# Altium PCB J-Link to STDC14.PcbDoc
Units mil, origin at the board's own origin, x right, y up, seen from the top; angles counter-clockwise.
Board outline 1320 x 990 mil, 2 copper layers (Top Layer, Bottom Layer), stack 61.756 mil thick; 29 components, 30 nets, 115 pads, 5 vias.
Unrouted connection lines stored in the file: 55.
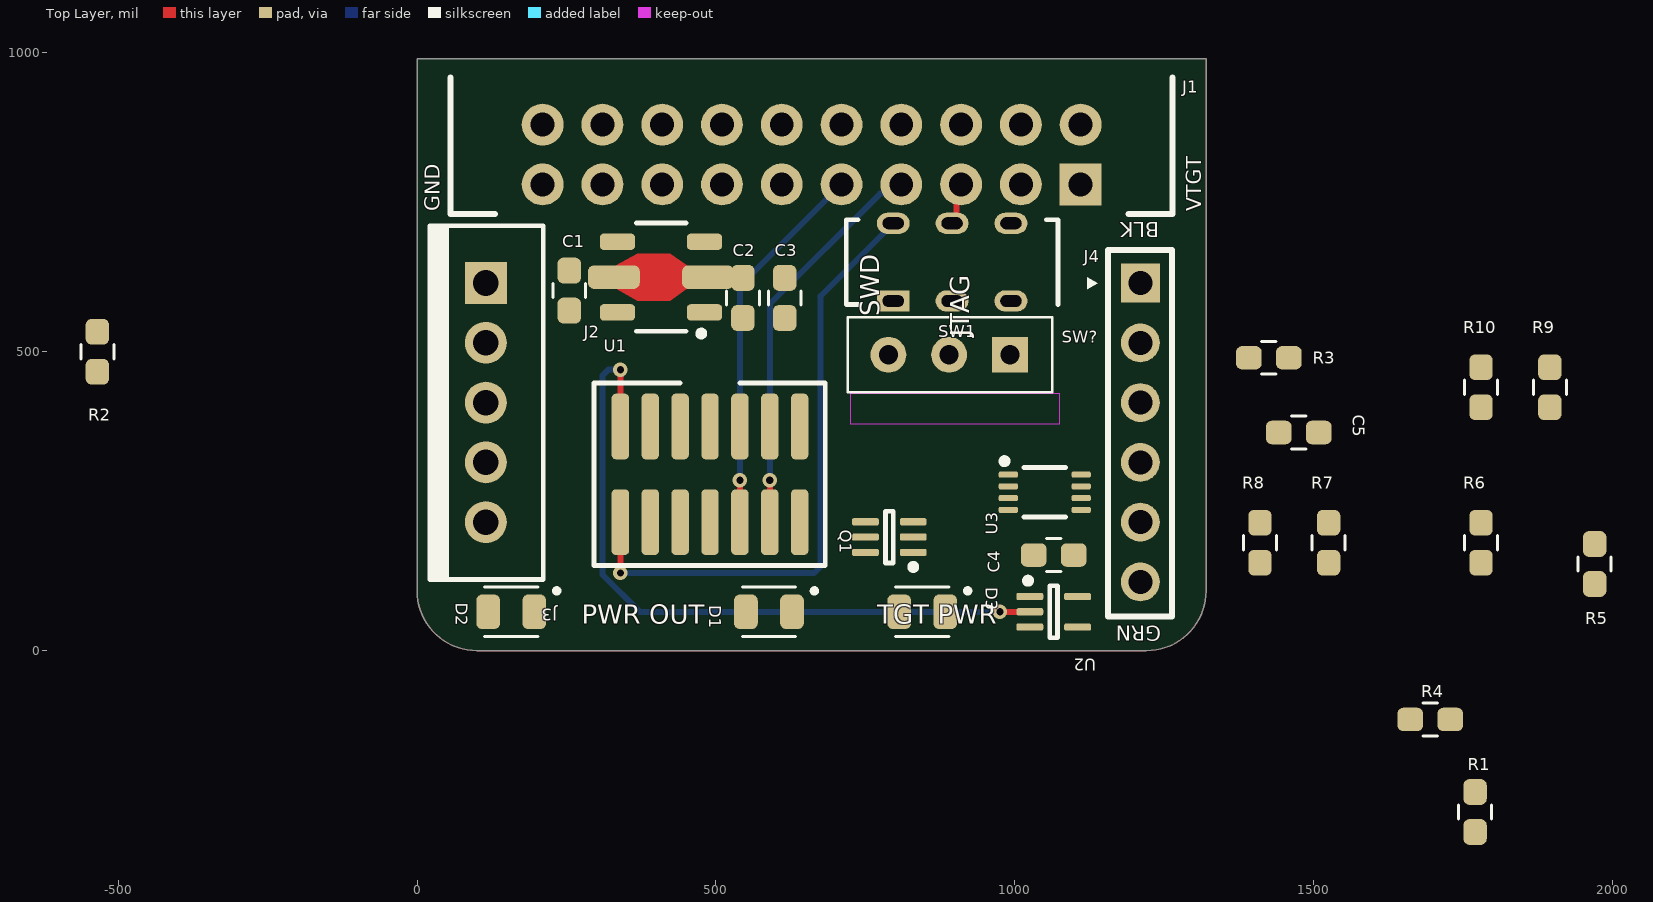
[diagram p0: Top Layer view]
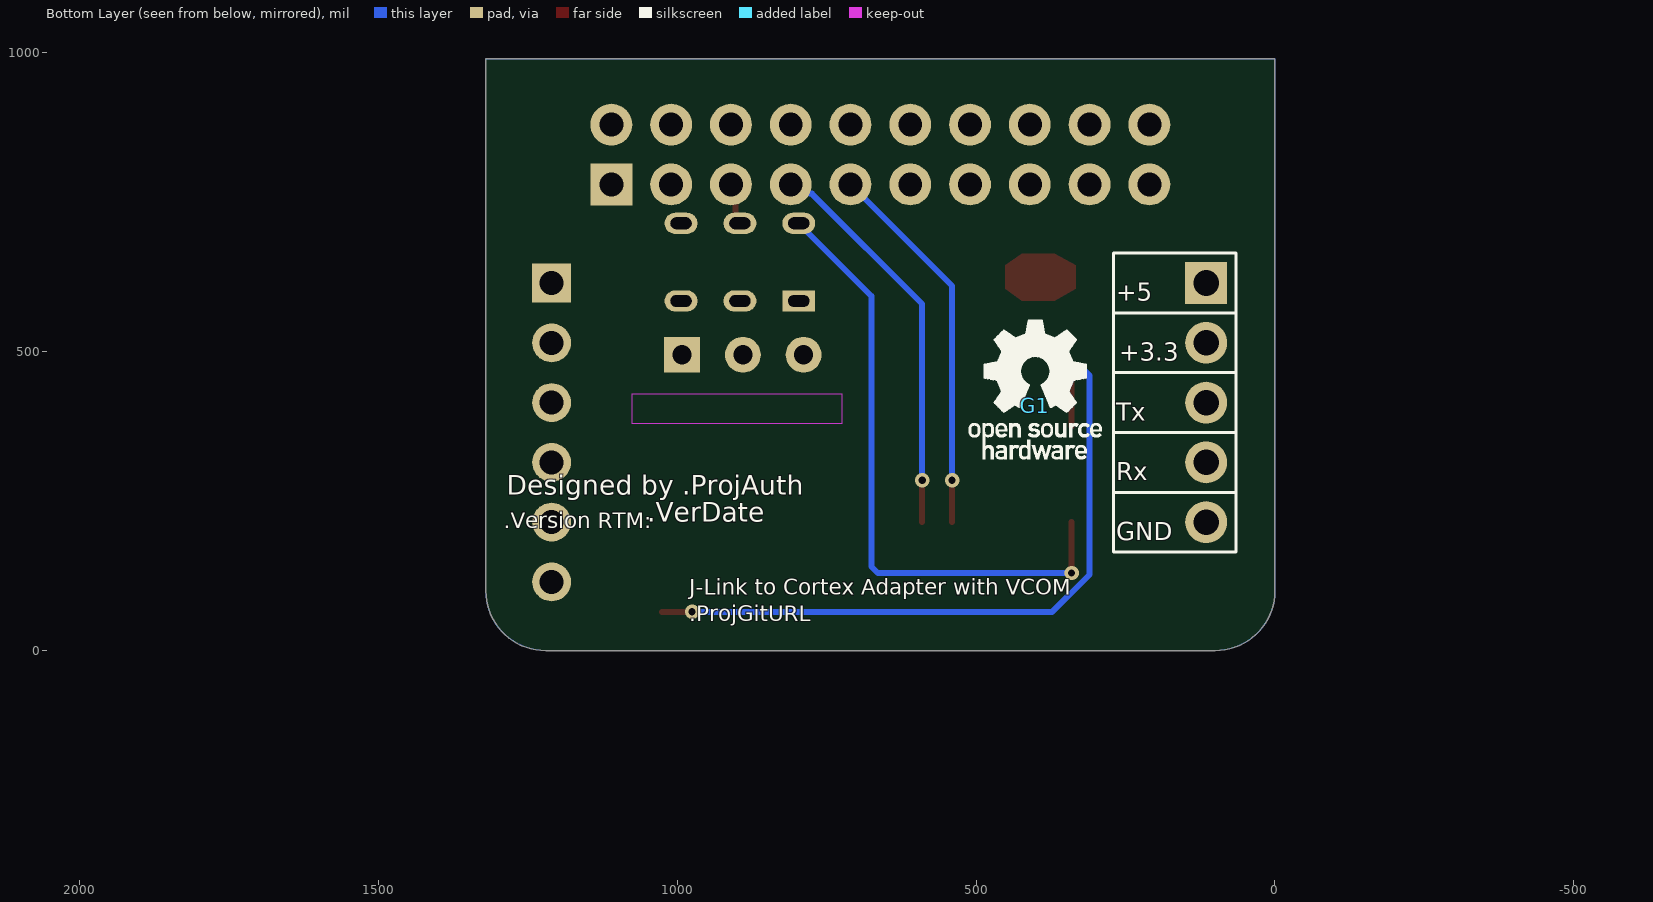
[diagram p1: Bottom Layer view, seen from below]

## Layer stack, top to bottom
Top Solder: solder mask 1, PSR-4000BN, Dk 4.5
Top Layer: signal copper 1.378
Dielectric 1: core 59, Kingboard KB6167F, Dk 4.5
Bottom Layer: signal copper 1.378
Bottom Solder: solder mask 1, PSR-4000BN, Dk 4.5

## Board outline
0,100 ccw(c100,100) 100,0 300.72,0 1220,0 ccw(c1220,100) 1320,100 1320,990 0,990

## Design rules (kind name [scope] priority, off if disabled: settings)
BoardOutlineClearance [All] p1: gap=15 ignorepadtopadclearanceinfootprint=FALSE
Clearance [All] p1: gap=6 ignorepadtopadclearanceinfootprint=FALSE except(8: SMDPad-Poly THPad-Poly; 12: Arc-Hole Track-Hole SMDPad-Hole THPad-Hole Via-Hole Fill-Hole Poly-Hole Region-Hole Text-Hole)
ComponentClearance [All] p1: gap=5 collisioncheckmode=3 verticalgap=5 showdistances=TRUE
Creepage [All] p1: checkdistance=3 ignoreinternallayers=FALSE
DiffPairsRouting [All] p1: maxlimit=10 minlimit=5 mostfreqgap=5 toplayer_minwidth=5 toplayer_maxwidth=1000 toplayer_prefwidth=5 bottomlayer_minwidth=5 bottomlayer_maxwidth=1000 bottomlayer_prefwidth=5 maxuncoupledlength=500
Height [All] p1: minheight=0 maxheight=71497.94 prefheight=500
HoleSize [All] p1: absolutevalues=TRUE maxlimit=248.03 minlimit=10 maxpercent=80.000 minpercent=20.000
HoleToHoleClearance [All] p1: gap=9.84 allowstackedmicrovias=FALSE
MinimumAnnularRing [All] p1: minimumring=3
MinimumSolderMaskSliver [All] p1: minsoldermaskwidth=4
PasteMaskExpansion "THT Paste" [IsThruPin or IsThruVia or IsVia] p1: expansion=-99999
PasteMaskExpansion [All] p2: expansion=0
PlaneClearance [All] p1: clearance=5
PlaneConnect PlaneConnectPowerPads [InPadClass('PowerPads')] p1: planeconnectstyle=Direct reliefexpansion=20 reliefentries=4 reliefconductorwidth=10 reliefairgap=10
PlaneConnect [All] p2: pad.planeconnectstyle=Relief pad.reliefexpansion=11.81 pad.reliefentries=4 pad.reliefconductorwidth=5 pad.reliefairgap=5 via.planeconnectstyle=Direct via.reliefexpansion=11.81 via.reliefentries=4 via.reliefconductorwidth=5 via.reliefairgap=5
PolygonConnect PolygonConnectPowerPads [All vs InPolygonClass('PWRPLY')] p1: thpad.connectstyle=Relief thpad.reliefconductorwidth=15 thpad.reliefentries=4 thpad.polygonreliefangle="90 Angle" thpad.airgapwidth=10 smdpad.connectstyle=Relief smdpad.reliefconductorwidth=15 smdpad.reliefentries=4 smdpad.polygonreliefangle="90 Angle" smdpad.airgapwidth=10 via.connectstyle=Direct via.reliefconductorwidth=10 via.reliefentries=4 via.polygonreliefangle="90 Angle" via.airgapwidth=10
PolygonConnect [All] p2: thpad.connectstyle=Relief thpad.reliefconductorwidth=8 thpad.reliefentries=4 thpad.polygonreliefangle="90 Angle" thpad.airgapwidth=8 smdpad.connectstyle=Relief smdpad.reliefconductorwidth=5 smdpad.reliefentries=4 smdpad.polygonreliefangle="90 Angle" smdpad.airgapwidth=5 via.connectstyle=Direct via.reliefconductorwidth=5 via.reliefentries=4 via.polygonreliefangle="90 Angle" via.airgapwidth=5
RoutingCorners [All] p1: cornerstyle=45-Degree minsetback=250 maxsetback=100
RoutingVias [All] p1: holewidth=12 width=24 viastyle="Through Hole" minholewidth=10 minwidth=20 maxholewidth=23.62 maxwidth=259.84
SilkToSilkClearance [All] p1: silktosilkclearance=3
SilkToSolderMaskClearance [IsPad or IsVia] p1: minsilkscreentomaskgap=3 clearancetoexposedcopper=FALSE
SolderMaskExpansion TentedVias [IsVia] p1: expansion=4 istentingtop=TRUE
SolderMaskExpansion [All] p2: expansion=3 istentingtop=FALSE
UnRoutedNet [All] p1: checkbadconnections=TRUE
Width PWRWIDTH [InNetClass('PWR')] p1: maxlimit=40 minlimit=10 preferedwidth=15 minimp=50.000000 maximp=50.000000 favimp=50.000000
Width [All] p2: maxlimit=1000 minlimit=6 preferedwidth=10 minimp=50.000000 maximp=50.000000 favimp=50.000000
17 further rules are at their usual default settings.

## Classes and differential pairs
component class FTDI_INT: C4 C5 D3 J4 R6 R7 R8 R9 R10 SW? U2 U3
polygon class PWRPLY: BOTGND TOPGND
net class PWR: +3.3 +5 GND NetC3_2
component class "J-Link to STDC14": C1 C2 C3 D1 D2 HW1 J1 J2 J3 Q1 R1 R2 R3 R4 R5 SW1 U1

## Components (designator, comment, footprint, x,y, rotation, side; value= is the part's Value field where it differs from the comment)
C1 "CAP 0603 0.47UF 16V 10% X7R" 0603_CAP 254.53,602.53 r270 top value=0.47UF
C2 "CAP 0603 0.47UF 16V 10% X7R" 0603_CAP 545,590 r270 top value=0.47UF
C3 "CAP 0603 0.01UF 16V 10% X7R" 0603_CAP 615,590 r90 top value=0.01UF
C4 "CAP 0603 0.01UF 16V 10% X7R" 0603_CAP 1065,160 r0 top value=0.01UF
C5 "CAP 0603 0.01UF 16V 10% X7R" 0603_CAP 1475,365 r180 top value=0.01UF
D1 "Green LED" SM0805GCL 588.58,65 r180 top
D2 "Red LED" SM0805HCL 157.4,65 r180 top
D3 "Amber LED" SM0805AC 845,65 r180 top
G1 "Comment" OSHW_.25in 401.62,410 r180 bottom
J1 "20 contact Female header, RA" SFH11-PBPC-D10-RA-BK 660,1110.31 r180 top locked
J2 "STDC14 Debug Connector" "FTSH-107-01-F-DV-K PLUGOUT" 540,295 r180 top locked
J3 "5 contacts Male header" "70543-0109 - slim" 115,615 r90 top
J4 "FTDI_6_DEVICE" FTDI_6_HDR_TTL-232R 1210,365 r90 top locked
Q1 "Dual N-Ch MOSFET" SOT363 790,190 r180 top
R1 "RES 0603 680 1%" 0603_RES 1770,-270 r90 top value=680
R2 "RES 0603 680 1%" 0603_RES -535,500 r90 top value=680
R3 "RES 0603 1K 1%" 0603_RES 1425,490 r180 top value=1K
R4 "RES 0603 10K 1%" 0603_RES 1695,-115 r0 top value=10K
R5 "RES 0603 10K 1%" 0603_RES 1970,145 r270 top value=10K
R6 "RES 0603 68 1%" 0603_RES 1780,180.59 r270 top value=68
R7 "RES 0603 10K 1%" 0603_RES 1525,180.59 r270 top value=10K
R8 "RES 0603 10K 1%" 0603_RES 1410,180.59 r270 top value=10K
R9 "RES 0603 1K 1%" 0603_RES 1895,440.59 r270 top value=1K
R10 "RES 0603 10K 1%" 0603_RES 1780,440.59 r270 top value=10K
SW1 "SWITCH SLIDE DPDT 300MA 6V" JS202011CQN 895,650 r0 top
SW? "SWITCH SLIDE DIP SPST 10MA 20V" SPA02B 991.57,495 r0 top
U1 "3.3V LDO Soft start reverse current reverse voltage" SOT89-5_NJR 407.92,625 r180 top
U2 "Buffer" SOT353 1065,65 r0 top
U3 "Dual Bus Buffer Gate" DCU-8 1050,265 r270 top

## Footprints (in the part's own frame and the unit in brackets; to place one, negate y for a bottom-side part, rotate by r counter-clockwise, add the part's x,y. Pads: shape width x height; smd on the part's side, far side on the other; paste and mask are expansions set on the pad)
0603_CAP [mm]
  rrect50% 1.1x1 smd: 1(-0.85,0) 2(0.85,0)
  silkscreen extent -0.3,-0.7 0.3,0.7, body extent -0.8,-0.4 0.8,0.4, height 0.6
0603_RES [mil]
  rrect50% 43x39 smd: 1(-33.46,0) 2(33.46,0)
  silkscreen extent -12,-28 12,28, body extent -31,-16 32,16, height 24
"70543-0109 - slim" [mil]
  rect 70x70 / inner round 70 / far side rect 70x70 hole 43: 1(0,0)
  round 70 hole 43: 2(-100,0) 3(-200,0) 4(-300,0) 5(-400,0)
  silkscreen extent -496,-96 96,94, body extent -500,-100 100,164, height 1156
DCU-8 [mil]
  rrect50% 10x32 smd mask+2: 1(-29.53,-61.02) 2(-9.84,-61.02) 3(9.84,-61.02) 4(29.53,-61.02) 5(29.53,61.02) 6(9.84,61.02) 7(-9.84,61.02) 8(-29.53,61.02)
  silkscreen extent -57,-72 41,35, body extent -39,-66 39,67, height 27
FTDI_6_HDR_TTL-232R [mil]
  rect 65x65 hole 40: 1(250,0)
  round 65 hole 40: 2(150,0) 3(50,0) 4(-50,0) 5(-150,0) 6(-250,0)
  silkscreen extent -308,-53 305,89, body extent -300,-50 300,50, height 1045
"FTSH-107-01-F-DV-K PLUGOUT" [mil]
  rrect50% 29.13x109.84 smd: 1(-100,-80) 2(-100,80) 3(-50,-80) 4(-50,80) 5(0,-80) 6(0,80) 7(50,-80) 8(50,80) 9(100,-80) 10(100,80)
  rrect50% 29.5x109.84 smd: 11(150,-80) 12(150,80) 13(200,-80) 14(200,80)
  silkscreen extent -143,-153 244,153, body extent -207,-115 308,310, height 315
JS202011CQN [mm]
  rect 1.4x0.9 hole 0.5 slot 0.9 at 0 deg paste-1000: 1(-2.5,-1.65)
  oval 1.4x0.9 hole 0.5 slot 0.9 at 0 deg paste-1000: 2(0,-1.65) 3(2.5,-1.65) 4(2.5,1.65) 5(0,1.65) 6(-2.5,1.65)
  silkscreen extent -4.5,-1.8 4.5,1.8, body extent -4.5,-1.8 4.5,1.8, height 5.5
OSHW_.25in [mil]
  silkscreen extent -110,-90 112,144
SFH11-PBPC-D10-RA-BK [mil] "CONN HDR 20POS 0.1 GOLD PCB R/A"
  rect 70x70 hole 40 paste-39370.1: 1(-450,330.31)
  round 70 hole 40 paste-39370.1: 2(-450,230.31) 3(-350,330.31) 4(-350,230.31) 5(-250,330.31) 6(-250,230.31) 7(-150,330.31) 8(-150,230.31) 9(-50,330.31) 10(-50,230.31) 11(50,330.31) 12(50,230.31) 13(150,330.31) 14(150,230.31) 15(250,330.31) 16(250,230.31) 17(350,330.31) 18(350,230.31) 19(450,330.31) 20(450,230.31)
  silkscreen extent -604,151 604,380, body extent -596,-167 598,338, height 280
SM0805AC [mm]
  rrect50% 1.01x1.47 smd: A(0.98,0) K(-0.98,0)
  silkscreen extent -2.03,-1.05 1.13,1.05, body extent -1,-0.62 1,0.62, height 1.12
SM0805GCL [mm]
  rrect50% 1.01x1.47 smd: A(0.98,0) K(-0.98,0)
  silkscreen extent -2.03,-1.05 1.13,1.05, body extent -1,-0.62 1,0.62, height 1.12
SM0805HCL [mm]
  rrect50% 1.01x1.47 smd: A(0.98,0) K(-0.98,0)
  silkscreen extent -2.03,-1.05 1.13,1.05, body extent -1,-0.62 1,0.62, height 1.12
SOT89-5_NJR [mm] "SOT89, 3-Leads, Body 4.50x2.45mm, Pitch 1.50mm, Lead Span 3.5mm, IPC Medium Density"
  rrect50% 1.5x0.7 smd: 1(-1.85,1.5) 3(-1.85,-1.5) 4(1.85,-1.5) 5(1.85,1.5)
  rrect50% 2.2x1 smd: 2(-2,0) 2(2,0)
  Top Layer region: -1.1,0.5 -0.4,1 1,1 1.9,0.5 1.9,-0.5 1,-1 -0.4,-1 -1.1,-0.5
  silkscreen extent -1.84,-2.3 1.05,2.52, body extent -2.25,-2.24 2.25,2.24, height 1.6
SOT353 [mil]
  rrect50% 45x12 smd: 1(-40,25.59) 2(-40,0) 3(-40,-25.59) 4(40,-25.59) 5(40,25.59)
  silkscreen extent -48,-44 6,57, body extent -45,-41 45,41, height 39
SOT363 [mil]
  rrect50% 45x12 smd: 1(-40,25.59) 2(-40,0) 3(-40,-25.59) 4(40,-25.59) 5(40,0) 6(40,25.59)
  silkscreen extent -45,-43 7,55, body extent -41,-39 41,39, height 39
SPA02B [mil]
  rect 60x60 hole 32: 1(0,0)
  round 60 hole 32: 2(-101.57,0) 3(-203.15,0)
  silkscreen extent -271,-63 71,63, body extent -271,-63 71,63, height 244

## Part data
C1 C2: "Capacitor Surface Mount 0603 Footprint 0.47UF 16V 10% Tolerance Ceramic X7R", Manufacturer=Various, PCB Package=0603, Tolerance=10%, Voltage=16V, ComponentLink1Description="Manufacturer Website", ComponentLink2Description="Component Datasheet", ComponentLink3Description="Octopart Link", Description in Visual="Cap SMT 0603 0.47UF 16V 10%  Cer X7R", Manufacturer P/N=Various, P/N="CAP 0603 0.47UF 16V 10% X7R", Type="Ceramic X7R", Val=0.47UF, Vol=16V
C3 C4 C5: "Capacitor Surface Mount 0603 Footprint 0.01UF 16V 10% Tolerance Ceramic X7R", Manufacturer=Various, PCB Package=0603, Tolerance=10%, Voltage=16V, ComponentLink1Description="Manufacturer Website", ComponentLink2Description="Component Datasheet", ComponentLink3Description="Octopart Link", Description in Visual="Cap SMT 0603 0.01UF 16V 10%  Cer X7R", Manufacturer P/N=Various, P/N="CAP 0603 0.01UF 16V 10% X7R", Type="Ceramic X7R", Val=0.01UF, Vol=16V
D1: library part SM0805GCL, "Green 574nm LED Indication - Discrete 1.9V 0805 (2012 Metric)", Color=Green, Manufacturer=Bivar, Millicandela Rating=3.6mcd, Package Class="Surface Mount", PCB Package=0805, Test Current=2mA, Voltage Rating=1.9V, ComponentLink1Description="Manufacturer Website", ComponentLink1URL=#https://www.bivar.com/#, ComponentLink2Description="Component Datasheet", ComponentLink2URL=https://www.bivar.com/parts_content/Datasheets/SM0805HCL.pdf, ComponentLink3Description="Octopart Link", ComponentLink3URL=#https://octopart.com/sm0805gcl-bivar-22059573?r=sp#, Configuration=Single, Description in Visual="Green 574nm LED Indication - Discrete 1.9V 0805 (2012 Metric)", Lens Style=Square, Lens Type=Clear, Manufacturer P/N=SM0805GCL, P/N=SM0805GCL, Viewing Angle=130°, Wavelength=574nm
D2: library part SM0805HCL, "Red 631nm LED Indication - Discrete 1.9V 0805 (2012 Metric)", Color=Red, Manufacturer=Bivar, Millicandela Rating=11.5mcd, Package Class="Surface Mount", PCB Package=0805, Test Current=2mA, Voltage Rating=1.9V, ComponentLink1Description="Manufacturer Website", ComponentLink1URL=#https://www.bivar.com/#, ComponentLink2Description="Component Datasheet", ComponentLink2URL=https://www.bivar.com/parts_content/Datasheets/SM0805HCL.pdf, ComponentLink3Description="Octopart Link", ComponentLink3URL=#https://octopart.com/sm0805hcl-bivar-2191581?r=sp#, Configuration=Single, Description in Visual="Red 631nm LED Indication - Discrete 1.9V 0805 (2012 Metric)", Lens Style=Square, Lens Type=Clear, Manufacturer P/N=SM0805HCL, P/N=SM0805HCL, Viewing Angle=130°, Wavelength=631nm
D3: library part SM0805AC, "Amber 607nm LED Indication - Discrete 2V 0805 (2012 Metric)", Color=Amber, Manufacturer=Bivar, Millicandela Rating=6mcd, Package Class="Surface Mount", PCB Package=0805, Test Current=20mA, Voltage Rating=2, ComponentLink1Description="Manufacturer Website", ComponentLink1URL=#https://www.bivar.com/#, ComponentLink2Description="Component Datasheet", ComponentLink2URL=https://www.bivar.com/parts_content/Datasheets/SM0805AC.pdf, ComponentLink3Description="Octopart Link", ComponentLink3URL=#https://octopart.com/sm0805ac-bivar-5838577?r=sp#Specs, Configuration=Single, Description in Visual="Amber 607nm LED Indication - Discrete 2V 0805 (2012 Metric)", Lens Style=Square, Lens Type=Clear, Manufacturer P/N=SM0805AC, P/N=SM0805AC, Viewing Angle=130°, Wavelength=607nm
J1: library part SFH11-PBPC-D10-RA-BK, "20 Position Header Connector  Through Hole, Right Angle", Manufacturer=Sullins, PCB Package="2x10 THT", Supplier Part Number 1=S9205-ND, ComponentLink1Description="Manufacturer Website", ComponentLink1URL=https://www.sullinscorp.com/, ComponentLink2Description="Component Datasheet", ComponentLink2URL=https://datasheet.ciiva.com/754/sfh11-pxxc-dxx-ra-xx11161-c-754566.pdf?src-supplier=Digi-Key, Description in Visual="Con Hdr Female 20 contacts horizontal 2X10 keyed", Manufacturer P/N=SFH11-PBPC-D10-RA-BK, Number of Contacts=20, Number of Rows=2, Orientation=horizontal, P/N=SFH11-PBPC-D10-RA-BK, Pitch="0.100\"", Supplier 1=Digi-Key
J2: library part STDC14-Debug, "STDC14 Debug Connector (ST Micro extension to the Cortex 10 Pin), 0.050\" (1.27mm) Pitch", Manufacturer=Samtec, Manufacturer P/N=FTSH-107-01-F-DV-K, Supplier Part Number 1=SAM13170TR-ND, ComponentLink1Description="Pinout Reference", ComponentLink1URL=https://www.st.com/resource/en/user_manual/dm00526767-stlinkv3set-debuggerprogrammer-for-stm8-and-stm32-stmicroelectronics.pdf, ComponentLink2Description="Datasheet for Connector", ComponentLink2URL=http://suddendocs.samtec.com/catalog_english/ftsh_smt.pdf, Contact Finish=Gold, Description in Visual="STDC14 Debug Connector (ST Micro extension to the Cortex 10 Pin), 0.050\" (1.27mm) Pitch", Gender=Male, Number of Contacts=14, Number of Rows=2, Orientation=Vertical, P/N=STDC14-Debug, Pitch="0.050\"", Supplier 1=Digi-Key, Supplier 2=Digi-Key, Supplier 3=Digi-Key, Supplier Part Number 2=612-FTSH-107-01-F-DV-K-ND, Supplier Part Number 3=FTSH-107-01-F-DV-K-P-ND
J3: library part 70543-0109, "Connector Male Header 1X5 vertical 5contacts 0.100in pitch 0.76um Gold finish shrouded with latch", Manufacturer=Molex, PCB Package="NON-STD TH", Supplier Part Number 1=WM4125-ND, ComponentLink1Description="Manufacturer Website", ComponentLink1URL=http://www.molex.com, ComponentLink2Description="Component Datasheet", ComponentLink2URL=http://www.molex.com/pdm_docs/sd/705430106_sd.pdf, ComponentLink3Description="Octopart Link", ComponentLink3URL=http://octopart.com/partsearch/#search/requestData&q=70543-0109, ComponentLink4Description="Product Page", ComponentLink4URL=http://www.molex.com/molex/products/datasheet.jsp?part=active/0705430109_PCB_HEADERS.xml, Contact Finish="0.76um Gold", Description in Visual="Con Hdr Male 5contacts vertical 1X5", Gender=Male, Manufacturer P/N=70543-0109, Number of Contacts=5, Number of Rows=1.00, Options="shrouded with latch", Orientation=vertical, P/N=70543-0109, Pitch=0.100in, Supplier 1=Digi-Key
J4: library part FTDI_TTL_6PIN, "Connector Header Through Hole 6 position 0.100\" (2.54mm)", Manufacturer=Generic, Manufacturer P/N=Various, Supplier Part Number 1=2057-PH1-06-UA-ND, ComponentLink1Description="Pinout Reference", ComponentLink1URL=https://www.ftdichip.com/Support/Documents/DataSheets/Cables/DS_TTL-232R_CABLES.pdf, ComponentLink2Description="Datasheet for Connector", ComponentLink2URL=http://www.adam-tech.com/downloader.php?p=PH1-XX-UA.pdf, Contact Finish=Gold, Description in Visual="Connector Header Through Hole 6 position 0.100\" (2.54mm)", Gender=Male, Number of Contacts=6, Number of Rows=1, Orientation=Vertical, P/N=FTDI_TTL_6PIN, Pitch="0.100\"", Supplier 1=Digi-Key, Supplier 2=Digi-Key, Supplier Part Number 2=732-5319-ND
Q1: library part 2N7002DW, "Dual N-Channel Enhancement Mode FET SOT-363", Manufacturer="Fairchild Semiconductors", PCB Package=SOT-363, ComponentLink1Description="Manufacturer Website", ComponentLink1URL=http://www.fairchildsemi.com, ComponentLink2Description="Component Datasheet", ComponentLink2URL=http://www.fairchildsemi.com/ds/2N%2F2N7002DW.pdf, ComponentLink3Description="Octopart Link", ComponentLink3URL=http://octopart.com/partsearch/#search/requestData&q=2N7002DW, Configuration="Dual N-Channel", Description in Visual="MOSFET Array SMT Dual N-Ch SOT-363", ID (mA)=115, Manufacturer P/N=2N7002DW, P/N=2N7002DW, VDGR (V)=60.00, Vdss (V)=60, VGSS (V)=+/-20
R1 R2: "Resistor Surface Mount, 680 Ohms, 0603 Footprint, 1% Tolerance 0.1W", Manufacturer=Various, PCB Package=0603, Power_Rating=0.1W, Supplier Part Number 1=541-680HCT-ND, Tolerance=1%, Description in Visual="Res SMT 680 0603  1%  0.1W", Manufacturer P/N=Various, P/N="RES 0603 680 1%", Supplier 1=Digi-Key, Supplier 2=Digi-Key, Supplier 3=Digi-Key, Supplier 4=Digi-Key, Supplier Part Number 2=2019-RK73H1JTTD6800FCT-ND, Supplier Part Number 3=P680HCT-ND, Supplier Part Number 4=YAG3356CT-ND, Tol=1%, Val=680
R3 R9: "Resistor Surface Mount, 1K Ohms, 0603 Footprint, 1% Tolerance 0.1W", Manufacturer=Various, PCB Package=0603, Power_Rating=0.1W, Supplier Part Number 1=2019-RK73H1JTTD1001FCT-ND, Tolerance=1%, Description in Visual="Res SMT 1K 0603  1%  0.1W", Manufacturer P/N=Various, P/N="RES 0603 1K 1%", Supplier 1=Digi-Key, Supplier 2=Digi-Key, Supplier 3=RSComponents, Supplier 4=Digi-Key, Supplier Part Number 2=541-1166-1-ND, Supplier Part Number 3=1051155, Supplier Part Number 4=311-1.00KHRCT-ND, Tol=1%, Val=1K
R4 R5 R7 R8 R10: "Resistor Surface Mount, 10K Ohms, 0603 Footprint, 1% Tolerance 0.1W", Manufacturer=Various, PCB Package=0603, Power_Rating=0.1W, Supplier Part Number 1=P10.0KHCT-ND, Tolerance=1%, Description in Visual="Res SMT 10K 0603  1%  0.1W", Manufacturer P/N=Various, P/N="RES 0603 10K 1%", Supplier 1=Digi-Key, Supplier 2=Digi-Key, Supplier 3=Newark, Supplier 4=Digi-Key, Supplier Part Number 2=541-10.0KHCT-ND, Supplier Part Number 3=68R0128, Supplier Part Number 4=A106048CT-ND, Tol=1%, Val=10K
R6: "Resistor Surface Mount, 68 Ohms, 0603 Footprint, 1% Tolerance 0.1W", Manufacturer=Various, PCB Package=0603, Power_Rating=0.1W, Tolerance=1%, Description in Visual="Res SMT 68 0603  1%  0.1W", Manufacturer P/N=Various, P/N="RES 0603 68 1%", Tol=1%, Val=68
SW1: library part JS202011CQN, "Slide Switch DPDT Through Hole", Manufacturer=C&K, Rated Current (A)=300mA, Rated Voltage (V)=6VDC, Supplier Part Number 1=401-2001-ND, Temperature Range="-40°C ~ 85°C", Actuator Height=2.0mm, Electrical Life="5000 Cycles", Manufacturer Part Number=JS202011CQN, Mounting Style="Through Hole", Number of Switches=1, P/N=JS202011CQN, Supplier 1=Digi-Key, Switch Function=On-On, Throw Configuration=DPDT, Type=Slide
SW?: library part SPA02B, "Dip Switch SPST 2 Position Through Hole Slide (Standard) Actuator 10mA 20VDC, Commoned", Manufacturer=C&K, Rated Current (A)=10mA, Rated Voltage (V)=20VDC, Supplier Part Number 1=CKN9438-ND, Temperature Range="-30°C ~ 60°C", Actuator Height=Flush/Recessed, ComponentLink1Description="Manufacturer's Website", ComponentLink1URL=https://www.ckswitches.com/, ComponentLink2Description="Component Datasheet", ComponentLink2URL=https://www.ckswitches.com/media/1325/spa.pdf, ComponentLink4Description="Octopart Link", ComponentLink4URL=https://octopart.com/spa02b-c%26k+components-7950389?r=sp, Contact Material="Beryllium Copper. Gold Finish", Electrical Life="1,000 Cycles", Manufacturer Part Number=SPA02B, Mechanical Life="1,000 Cycles", Mounting Style="Through Hole", Number of Switches=2, P/N=SPA02B, Supplier 1=Digi-Key, Switch Function="Off-On (Common)", Throw Configuration=2xSPST, Type=DIP
U1: library part NJM12884U2-33, "Linear Voltage Regulator IC  1 Output  500mA SOT-89-5", Manufacturer="NJR Corporation/NJRC", Manufacturer P/N=NJM12884U2-33-TE1, Output Voltage (Volts)=3.3V, PCB Package=SOT89-5-2, Quiescent Current (mA)=0.280, Supplier Part Number 1=190-NJM12884U2-33-TE1CT-ND, Temperature Range="-40°C - 125°C", Vin Max (Volts)=6.5, Vin Min (Volts)=3.48, ComponentLink1Description="Manufacturer's Website", ComponentLink2Description="Component Datasheet", ComponentLink2URL=https://www.njr.com/semicon/PDF/NJM12884_E.pdf, ComponentLink3Description="Octopart Link", ComponentLink3URL=#https://octopart.com/njm12884u2-33-te1-new+japan+radio-92406224?r=sp#, Description in Visual="Linear Voltage Regulator IC  1 Output  500mA SOT-89-5", Features="Control, Soft-start, Discharge, Thermal Shutdown, Over-current, Reverse current", Initial Error=±1%, Layout Considerations="Schottky barrier diode is not needed; CIN ≥ 0.33μF; COUT ≥ 0.47μF", P/N=NJM12884U2-33, Supplier 1=Digi-Key, Type=LDO
U2: library part M74VHC1GT126, "Buffer, Non-Inverting 1 Element 1 Bit per Element 3-State Output SC-88A (SC-70-5/SOT-353)", Manufacturer="On Semiconductor", Manufacturer P/N=M74VHC1GT126DF1G, PCB Package="SC-88A (SC-70-5/SOT-353)", Supplier Part Number 1=M74VHC1GT126DF1GOSCT-ND, Temp Range="-55°C ~ 125°C (TA)", ComponentLink1Description="Manufacturer Website", ComponentLink1URL=#https://www.onsemi.com/#, ComponentLink2Description="Component Datasheet", ComponentLink2URL=https://www.onsemi.com/pub/Collateral/MC74VHC1GT126-D.PDF, ComponentLink3Description="Octopart Link", ComponentLink3URL=#https://octopart.com/m74vhc1gt125df2g-on+semiconductor-425358?r=sp#, Description in Visual="IC BUFFER NON-INVERT 5.5V SC88A", Number of Channels=1, Number of Gates=1, Number Of Inputs=1, P/N=M74VHC1GT126, Supplier 1=Digi-Key, Type=Buffer, Vs (max) (V)=5.5, Vs (min) (V)=3.3
U3: library part SN74LVC2G126, "Dual Bus Buffer Gate with 3-state outputs VSSOP-8", Manufacturer="Texas Instruments", Manufacturer P/N=SN74LVC2G126DCU, PCB Package=VSSOP-8, Supplier Part Number 1=296-12555-1-ND, Temp Range="-40 to +85 °C", ComponentLink1Description="Manufacturer Website", ComponentLink1URL=http://www.ti.com, ComponentLink2Description="Component Datasheet", ComponentLink2URL=http://www.ti.com/lit/ds/symlink/sn74lvc2g126.pdf?HQS=TI-null-null-digikeymode-df-pf-null-wwe&ts=1591325427184, ComponentLink3Description="Octopart Link", ComponentLink3URL=#https://octopart.com/sn74lvc2g126dcut-texas+instruments-2328158?r=sp#, Description in Visual="Logic IC SMT Dual Buffer Gate VSSOP-8", Number of Gate Inputs=2, Number of Gates=2, P/N=SN74LVC2G126, Supplier 1=Digi-Key, Supplier 2=Digi-Key, Supplier Part Number 2=296-32321-1-ND, Type=Buffer, Vs (max) (V)=5.5, Vs (min) (V)=1.65

## Via types
v1: diameter 24, hole 12, Top Layer to Bottom Layer, tented both sides, 5 vias

## Nets (pads, with @x,y where several pads share a name; then routed paths per layer and width w, separated by ;. In a path a pad name is that pad's centre, name@x,y a point inside that pad or via, vN(x,y) a via of type N, cw(c..) or ccw(c..) an arc to the next point about the centre after c; other vN are vias at no path point)
+3.3: C2.2 J3.2 R1.2 R2.2 R6.2 U1.1
+5: C1.2 J1.19 J3.1 U1.4 U1.5
\DTRRTS: J4.6 U3.5
\RESET: J1.15 J2.12 U3.3
\TRST: J1.3 R5.1
\TRST_O: R5.2 SW1.3
CTX9: J2.11 SW1.2
FTDI_EN: R8.2 R9.1 SW?.3 U2.1 U3.1
FTDI_RESET: R7.2 SW?.2 U3.7
FTDI_RXI: J4.4 U3.2
FTDI_TXO: J4.5 U2.4
FTDI_VCC: C4.2 J3.4 J4.3 SW?.1 U2.5
GND: C1.1 C2.1 C3.1 C4.1 C5.1 D2.K J1.4 J1.6 J1.8 J1.10 J1.12 J2.5 J2.7 J3.5 J4.1 J4.2 Q1.1 Q1.4 R4.1 R7.1 R8.1 R10.1 SW1.1 U1.2 U2.3 U3.4
NetC3_2: C3.2 U1.3
NetD1_A: D1.A R1.1
NetD1_K: D1.K Q1.6
NetD2_A: D2.A R2.1
NetD3_A: D3.A R6.1
NetD3_K: D3.K Q1.3
NetQ1_2: Q1.2 R3.2 R4.2
NetQ1_5: Q1.5 R9.2 R10.2
RTCK: J1.11 J2.9
RxD: J1.17 J2.13 U2.2 | length 1208
  Top Layer w10: J2.13 v1(340,470) ; v1(975,65) U2.2
  Bottom Layer w10: v1(340,470) 320,470 310,460 310,127.47 372.47,65 v1@980.44,65
SWDCLK/TCK: J1.9 J2.6 | length 635.4
  Top Layer w10: J2.6 v1(540,285)
  Bottom Layer w10: v1(540,285) 540,610 J1.9
SWDIO/TMS: J1.7 J2.4 | length 667.8
  Top Layer w10: J2.4 v1(590,285)
  Bottom Layer w10: v1(590,285) 590,580 774.64,764.64 778.41,764.64 793.76,780 J1.7
SWO/TDO: J1.13 J2.8
TDI: J2.10 SW1.4
Tx/TDI: J1.5 SW1.5 | length 71.3
  Top Layer w10: SW1.5 902.5,722.46 902.5,772.5 J1.5
TxD: J2.14 SW1.6 U3.6 | length 1050.7
  Top Layer w10: v1(340,130) J2.14
  Bottom Layer w10: v1(340,130) 664.14,130 675,140.86 675,593.39 781.87,700.25 781.87,703.21 793.61,714.96 SW1.6
VREF_TGT: C5.2 J1.1 J2.3 J3.3 R3.1 U3.8
pads on no net: J1.2 J1.14 J1.16 J1.18 J1.20 J2.1 J2.2

## Polygon pours and split planes (outlines as drawn)
GND on Bottom Layer "BOTGND" (solid, remove dead copper, shelved, pour order 9): 0,100 ccw(c100,100) 100,0 300.72,0 1220,0 ccw(c1220,100) 1320,100 1320,990 0,990
GND on Top Layer "TOPGND" (solid, remove dead copper, shelved, pour order 8): 0,100 ccw(c100,100) 100,0 300.72,0 1220,0 ccw(c1220,100) 1320,100 1320,990 0,990

## Keep-outs
Keep-Out Layer:
  rectangle: 725,380 1075,430

## Other copper
Top Layer:
  region net VREF_TGT: 1224.79,599.97

## Silkscreen, mask and mechanical layers (free items; w line width, h text height)
Top Overlay:
  text "GND" at 37.5,734.94 h25 r90
  text "VTGT" at 1311.5,734.94 h25 r90
  text "SWD" at 773.49,559.51 h32 r90
  text "JTAG" at 923.49,525.23 h32 r90
  text "PWR OUT" at 275,45.01 h32
  text "TGT PWR" at 770,45.01 h32
Bottom Overlay:
  lines w5: 65,265 270,265 ; 65,265 65,165 270,165 270,265 ; 65,265 65,365 ; 65,365 65,465 ; 65,365 270,365 ; 65,465 270,465 ; 65,465 65,565 ; 65,565 65,665 270,665 270,565 ; 65,565 270,565 ; 270,265 270,365 ; 270,365 270,465 ; 270,465 270,565
  text "+5" at 265,585 h30
  text "+3.3" at 260,485 h30
  text "Tx" at 265,385 h30
  text "Rx" at 265,285 h30
  text "Designed by .ProjAuth" at 1285,250 h55
  text ".VerDate" at 1050,205 h55
  text ".Version RTM:" at 1290,205 h26
  text "GND" at 265,185 h30
  text "J-Link to Cortex Adapter with VCOM / .ProjGitURL" at 980,39.6 h45
Board Outline:
  the board outline again, w1
CAM Title Block:
  drawing of 59 lines, arcs and shapes, not listed
  text "1" at -578.29,5306.6 h48.36
  text "2" at 2164.83,5306.6 h48.36
  text "3" at 4917.96,5306.6 h48.36
  text "4" at 7663.58,5306.6 h48.36
  text "A" at -1851.46,4344.46 h48.36
  text "A" at 8949.26,4344.46 h48.36
  text "B" at -1846.46,2219.25 h48.36
  text "B" at 8953.43,2219.25 h48.36
  text "C" at 8952.6,94.88 h48.36
  text "C" at -1842.3,84.88 h48.36
  text "D" at -1849.8,-2030.33 h48.36
  text "D" at 8950.1,-2030.33 h48.36
  text "Title:" at 5360.69,-2111.2 h65.87
  text "'.Pcb_File_Name_No_Path'" at 5710.88,-2132.32 h63.36
  text "Adapter for Segger J-Link to Cortex" at 5610.83,-2209.17 h32.52
  text "Also adds VCOM UART support, 3.3V LDO, and breakouts for power and ground" at 5610.83,-2269.2 h32.52
  text "Desc:" at 5360.69,-2297.96 h42.52
  text "*" at 5610.83,-2345.48 h32.52
  text ".ProjAuth" at 6220.5,-2489.5 h42.52
  text "Letter" at 5560.8,-2493.06 h42.52
  text "Auth:" at 5961.01,-2493.06 h42.52
  text "Proj:" at 7060.76,-2493.06 h42.52
  text "Size:" at 5360.69,-2498.06 h42.52
  text ".ProjShrtName" at 7261.5,-2514.5 h42.52
  text "1" at 7360.92,-2632.71 h37.52
  text "1" at 7661.08,-2632.71 h37.52
  text "Date:" at 5360.69,-2638.96 h37.52
  text "'.ModifiedDate'" at 5610.83,-2638.96 h37.52
  text "Time:" at 6361.22,-2638.96 h37.52
  text "'.ModifiedTime'" at 6571.34,-2638.96 h37.52
  text "Sheet" at 7060.76,-2638.96 h37.52
  text "of" at 7511,-2638.96 h37.52
  text ".ProjGitURL" at 5611.5,-2717 h37.52
  text "Repo:" at 5360.69,-2729 h37.52
  text "File:" at 5360.69,-2829.05 h37.52
  text "'.Pcb_File_Name'" at 5610.83,-2829.05 h37.52
  text "1" at -578.29,-2992.47 h48.36
  text "2" at 2164.83,-2992.47 h48.36
  text "3" at 4917.96,-2992.47 h48.36
  text "4" at 7663.58,-2992.47 h48.36
Drill Drawing:
  circle w8: c4531.51,-1507.87 r16.67
  lines w8: 4514.84,-1674.53 4514.84,-1666.2 4523.17,-1657.87 4514.84,-1649.53 4514.84,-1641.2 4523.17,-1641.2 4531.51,-1649.53 4539.84,-1641.2 4548.17,-1641.2 4548.17,-1649.53 4539.84,-1657.87 4548.17,-1666.2 4548.17,-1674.53 4539.84,-1674.53 4531.51,-1666.2 4523.17,-1674.53 4514.84,-1674.53 ; 4514.84,-1599.53 4531.51,-1591.2 4548.17,-1599.53 4539.84,-1582.87 4548.17,-1566.2 4531.51,-1574.53 4514.84,-1566.2 4523.17,-1582.87 4514.84,-1599.53 ; 4514.84,-1449.53 4548.17,-1449.53 4548.17,-1416.2 4514.84,-1416.2 4514.84,-1449.53 ; 4514.84,-1341.2 4548.17,-1341.2 4531.51,-1374.53 4514.84,-1341.2
  lines w15: 4484.01,-1697.03 8626.5,-1697.03 ; 4484.01,-1322.03 8626.5,-1322.03 ; 4769.05,-1772.03 4769.05,-1247.03 ; 5044.98,-1772.03 5044.98,-1247.03 ; 5595.82,-1772.03 5595.82,-1247.03 ; 6146.26,-1772.03 6146.26,-1247.03 ; 6408.8,-1772.03 6408.8,-1247.03 ; 6785.3,-1772.03 6785.3,-1247.03 ; 7541.08,-1772.03 7541.08,-1247.03 ; 7845.6,-1772.03 7845.6,-1247.03 ; 8228.1,-1772.03 8228.1,-1247.03 ; 4484.01,-1772.03 8626.5,-1772.03 8626.5,-1247.03 4484.01,-1247.03 4484.01,-1772.03
  text "Symbol" at 4529.01,-1299.53 h36
  text "Count" at 4791.55,-1299.53 h36
  text "Hole Size" at 5067.48,-1299.53 h36
  text "Hole Tolerance" at 5618.32,-1299.53 h36
  text "Plated" at 6168.76,-1299.53 h36
  text "Hole Type" at 6431.3,-1299.53 h36
  text "Drill Layer Pair" at 6807.8,-1299.53 h36
  text "Via/Pad" at 7563.58,-1299.53 h36
  text "Pad Shape" at 7868.1,-1299.53 h36
  text "Template" at 8250.6,-1299.53 h36
  text "3" at 4791.55,-1374.53 h30
  text "32.00mil (0.813mm)" at 5067.48,-1374.53 h30
  text "PTH" at 6168.76,-1374.53 h30
  text "Round" at 6431.3,-1374.53 h30
  text "Top Layer - Bottom Layer" at 6807.8,-1374.53 h30
  text "Pad" at 7563.58,-1374.53 h30
  text "(Mixed)" at 7868.1,-1374.53 h30
  text "(Mixed)" at 8250.6,-1374.53 h30
  text "5" at 4791.55,-1449.53 h30
  text "12.00mil (0.305mm)" at 5067.48,-1449.53 h30
  text "PTH" at 6168.76,-1449.53 h30
  text "Round" at 6431.3,-1449.53 h30
  text "Top Layer - Bottom Layer" at 6807.8,-1449.53 h30
  text "Via" at 7563.58,-1449.53 h30
  text "Rounded" at 7868.1,-1449.53 h30
  text "v61h30m0mx0" at 8250.6,-1449.53 h30
  text "5" at 4791.55,-1524.53 h30
  text "43.00mil (1.092mm)" at 5067.48,-1524.53 h30
  text "PTH" at 6168.76,-1524.53 h30
  text "Round" at 6431.3,-1524.53 h30
  text "Top Layer - Bottom Layer" at 6807.8,-1524.53 h30
  text "Pad" at 7563.58,-1524.53 h30
  text "Rounded" at 7868.1,-1524.53 h30
  text "(Mixed)" at 8250.6,-1524.53 h30
  text "6" at 4791.55,-1599.53 h30
  text "19.69mil (0.500mm)" at 5067.48,-1599.53 h30
  text "PTH" at 6168.76,-1599.53 h30
  text "Slot" at 6431.3,-1599.53 h30
  text "Top Layer - Bottom Layer" at 6807.8,-1599.53 h30
  text "Pad" at 7563.58,-1599.53 h30
  text "(Mixed)" at 7868.1,-1599.53 h30
  text "(Mixed)" at 8250.6,-1599.53 h30
  text "26" at 4791.55,-1674.53 h30
  text "40.00mil (1.016mm)" at 5067.48,-1674.53 h30
  text "PTH" at 6168.76,-1674.53 h30
  text "Round" at 6431.3,-1674.53 h30
  text "Top Layer - Bottom Layer" at 6807.8,-1674.53 h30
  text "Pad" at 7563.58,-1674.53 h30
  text "(Mixed)" at 7868.1,-1674.53 h30
  text "(Mixed)" at 8250.6,-1674.53 h30
  text "45 Total" at 4791.55,-1749.53 h30
  text "Slot definitions :" at 4529.01,-1828.02 h30
  text "Routed Path Length" at 5053.75,-1828.02 h30
  text "= Calculated from tool start centre position to tool end centre position." at 5613.49,-1828.02 h30
  text "Hole Length" at 5053.75,-1884.01 h30
  text "= Routed Path Length + Tool Size = Slot length as defined in the PCB layout" at 5408.55,-1884.01 h30
Fab Notes:
  drawing of 353 lines, arcs and shapes, not listed
  text "Fab Design Rule Set: OSHPark" at 6113.83,1266.03 h55
  text "Layer" at 6211.63,1152.06 h30
  text "Name" at 6422.59,1152.06 h30
  text "Material" at 6893.46,1152.06 h30
  text "Thickness" at 7459.3,1152.06 h30
  text "Constant" at 7790.22,1152.06 h30
  text "Board Layer Stack" at 8081.15,1152.06 h30
  text "Top Overlay" at 6422.59,1092.06 h30
  text "Top Solder" at 6422.59,1032.06 h30
  text "PSR-4000BN" at 6893.46,1032.06 h30
  text "1.00mil" at 7459.3,1032.06 h30
  text "4.5" at 7790.22,1032.06 h30
  text "1" at 6211.63,972.06 h30
  text "Top Layer" at 6422.59,972.06 h30
  text "Copper" at 6893.46,972.06 h30
  text "1.38mil" at 7459.3,972.06 h30
  text "Dielectric 1" at 6422.59,912.06 h30
  text "Kingboard KB6167F" at 6893.46,912.06 h30
  text "59.00mil" at 7459.3,912.06 h30
  text "4.5" at 7790.22,912.06 h30
  text "2" at 6211.63,852.06 h30
  text "Bottom Layer" at 6422.59,852.06 h30
  text "Copper" at 6893.46,852.06 h30
  text "1.38mil" at 7459.3,852.06 h30
  text "Bottom Solder" at 6422.59,792.06 h30
  text "PSR-4000BN" at 6893.46,792.06 h30
  text "1.00mil" at 7459.3,792.06 h30
  text "4.5" at 7790.22,792.06 h30
  text "Bottom Overlay" at 6422.59,732.06 h30

## Text inside footprints (layer, text, board x,y; h text height)
C1: Librarian Notes "SS 102512, ADDED SILKSCREEN." at 280.53,660.53 h1 r270
C2: Librarian Notes "SS 102512, ADDED SILKSCREEN." at 571,648 h1 r270
C3: Librarian Notes "SS 102512, ADDED SILKSCREEN." at 589,532 h1 r90
C4: Librarian Notes "SS 102512, ADDED SILKSCREEN." at 1007,186 h1
C5: Librarian Notes "SS 102512, ADDED SILKSCREEN." at 1533,339 h1 r180
J1: Designer Notes "Recommended Edge" at 1755,995.31 h30 r180
J3: Librarian Notes "LOCATION: MOLEX CONNECTORS.PCBLIB" at -54,313 h1 r90; Librarian Notes "HISTORY: SS 031412, CREATED USING MOLEX SDA-70543-XXXX DRAWING." at -51.9,312.9 h1 r90
J4: Top Overlay "GRN" at 1245.24,41.5 h25 r180; Top Overlay "BLK" at 1241.97,716.5 h25 r180; Designer Notes "RTS / DTR" at 1145,133.28 h25 r180; Designer Notes "TxD" at 1145,231.5 h25 r180; Designer Notes "RxD" at 1145,331.5 h25 r180; Designer Notes "VCC" at 1145,431.5 h25 r180; Designer Notes "CTS" at 1145,531.5 h25 r180; Designer Notes "GND" at 1145,630 h25 r180
Q1: Librarian Notes "2. JB 121812 CORRECTED COURTYARD OUTLINE TO SPACEX STANDARDS." at 817,136 h1 r180; Librarian Notes "1. MT 011410, COPIED F/P FROM DCK-6 AT TEXAS INSTRUMENTS LIBRARY." at 817,134 h1 r180; Librarian Notes "FOOTPRINT HISTORY" at 817,132 h1 r180
R1: Librarian Notes "SS 102512, ADDED SILKSCREEN." at 1744,-327 h1 r90
R2: Librarian Notes "SS 102512, ADDED SILKSCREEN." at -561,443 h1 r90
R3: Librarian Notes "SS 102512, ADDED SILKSCREEN." at 1482,464 h1 r180
R4: Librarian Notes "SS 102512, ADDED SILKSCREEN." at 1638,-89 h1
R5: Librarian Notes "SS 102512, ADDED SILKSCREEN." at 1996,202 h1 r270
R6: Librarian Notes "SS 102512, ADDED SILKSCREEN." at 1806,237.59 h1 r270
R7: Librarian Notes "SS 102512, ADDED SILKSCREEN." at 1551,237.59 h1 r270
R8: Librarian Notes "SS 102512, ADDED SILKSCREEN." at 1436,237.59 h1 r270
R9: Librarian Notes "SS 102512, ADDED SILKSCREEN." at 1921,497.59 h1 r270
R10: Librarian Notes "SS 102512, ADDED SILKSCREEN." at 1806,497.59 h1 r270
U2: Librarian Notes "LOCATION:SOT.PCBLIB" at 996,17.5 h1; Librarian Notes "HISTORY: MT 031810, CREATED USING ON SEMICONDUCTOR CASE 419-02  COMP DWG." at 996,15.5 h1
U3: Librarian Notes "2. SS 110713, UPDATED HEIGHT FROM 1MM TO 0.9MM PER REV F DCU-8 DATASHEET; ADDED EXTRUDED" at 1131,325 h1 r270; Librarian Notes "LOCATION: TI.PCBLIB" at 1135,325 h1 r270; Librarian Notes "HISTORY:  JB 122012 MOVED COURTYARD ON LEFT AND RIGHT SIDES TO 20MILS FROM BODY." at 1133,325 h1 r270